# Altium PCB H7-Battery.PcbDoc
Units mil, origin at the board's own origin, x right, y up, seen from the top; angles counter-clockwise.
Board outline 1968.5 x 1181.1 mil, 2 copper layers (Top Layer, Bottom Layer), stack 50.044 mil thick; 24 components, 99 nets, 185 pads, 4 vias.
Unrouted connection lines stored in the file: 36.
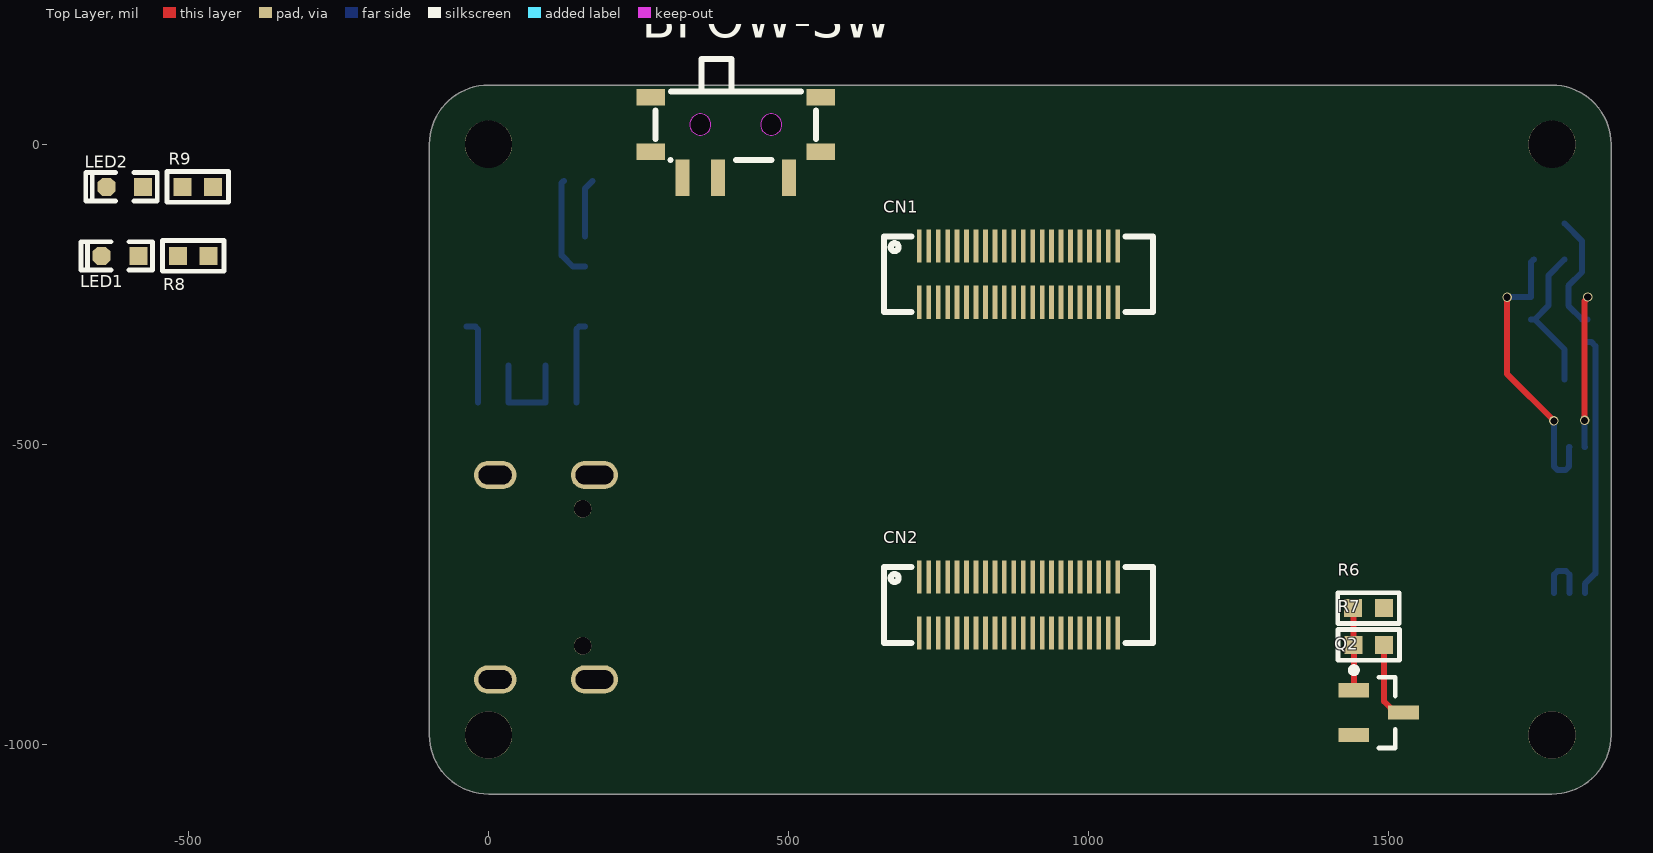
[diagram p0: Top Layer view]
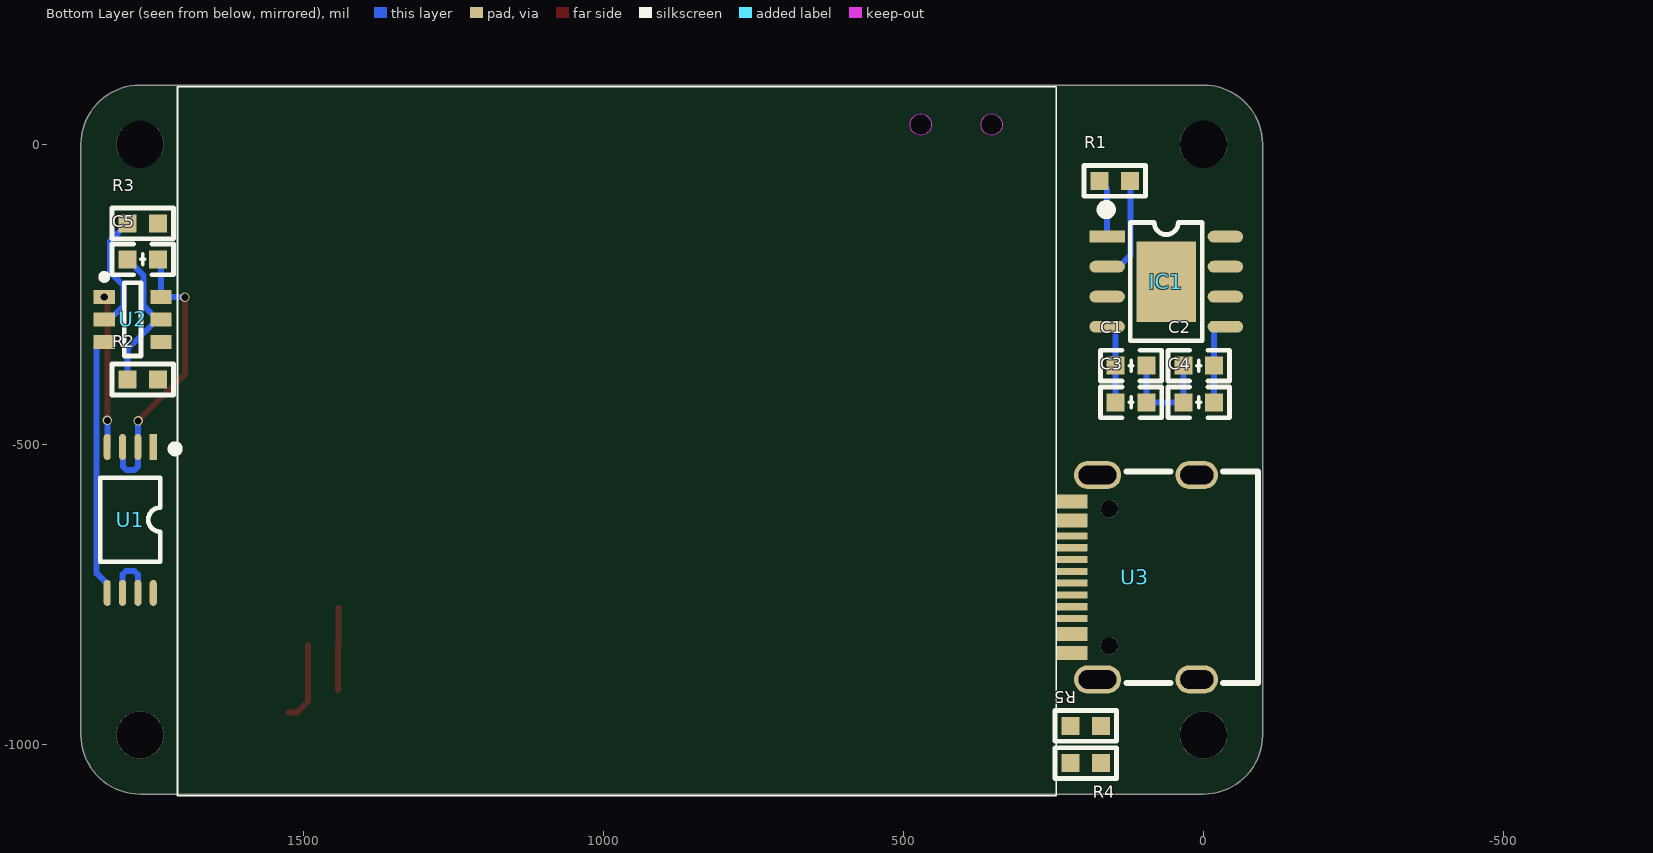
[diagram p1: Bottom Layer view, seen from below]

## Layer stack, top to bottom
Top Solder: solder mask 6.474, Solder Resist, Dk 3.5
Top Layer: signal copper 1.4
Dielectric 1: dielectric 47.2441, FR-4, Dk 4.8
Bottom Layer: signal copper 1.4
Bottom Solder: solder mask 6.474, Solder Resist, Dk 3.5

## Board outline
-98.43,-984.25 -98.43,0 cw(c0,0) 0,98.43 1771.65,98.43 cw(c1771.65,0) 1870.08,0 1870.08,-984.25 cw(c1771.65,-984.25) 1771.65,-1082.68 0,-1082.68 cw(c0,-984.25)

## Design rules (kind name [scope] priority, off if disabled: settings)
Clearance [All] p1: gap=4 ignorepadtopadclearanceinfootprint=TRUE
HoleToHoleClearance [All] p1: gap=3 allowstackedmicrovias=TRUE
MinimumSolderMaskSliver [All] p1: minsoldermaskwidth=3.5
PolygonConnect [All] p1: connectstyle=Relief reliefconductorwidth=10 reliefentries=4 polygonreliefangle="90 Angle" airgapwidth=10
RoutingVias [All] p1: holewidth=11.81 width=15.75 viastyle="Through Hole" minholewidth=11.81 minwidth=15.75 maxholewidth=15.75 maxwidth=19.68
SilkToSilkClearance [All] p1: silktosilkclearance=0
SilkToSolderMaskClearance [IsPad] p1: minsilkscreentomaskgap=3 clearancetoexposedcopper=TRUE
SolderMaskExpansion [All] p1: expansion=4 istentingtop=FALSE
Width [All] p1: maxlimit=40 minlimit=6 preferedwidth=8 minimp=50.000000 maximp=50.000000 favimp=50.000000
26 further rules are at their usual default settings.

## Components (designator, comment, footprint, x,y, rotation, side; value= is the part's Value field where it differs from the comment)
BPOW-SW "MSK12C02" SW-TH_MSK12C02 412,11 r180 top
C1 "10uF" C0603_L 120.59,-369 r180 bottom
C2 "10uF" C0603_L 8,-369 r0 bottom
C3 "0.1uF" C0603_L 120.59,-430 r180 bottom
C4 "0.1uF" C0603_L 8,-430 r0 bottom
C5 "0.1uF" C0603_L 1767,-192 r180 bottom
CN1 "DF40C-44DS-0.4V" DF40C-44DS-0.4V 882.95,-216.54 r180 top locked
CN2 "DF40C-44DS-0.4V" DF40C-44DS-0.4V 882.95,-767.72 r180 top locked
IC1 "TP4056" ESOP8_L 62,-229 r180 bottom
LED1 "" LED0603_R -614,-186 r180 top
LED2 "" LED0603_G -606,-71 r180 top
Q2 "AO3401" SOT23-3N 1483,-947 r0 top
R1 "1.2K" R0603_L 148,-61 r0 bottom
R2 "100R" R0603_L 1767,-392 r180 bottom
R3 "1.2K" R0603_L 1767,-132 r0 bottom
R4 "5.1K" R0603_L 196,-1031 r0 bottom
R5 "5.1K" R0603_L 196,-969 r180 bottom
R6 "10K" R0603_L 1466,-773 r180 top
R7 "10K" R0603_L 1466.41,-834 r0 top
R8 "5K1" R0603_L -492,-186 r180 top
R9 "5K1" R0603_L -484.41,-71 r0 top
U1 "SC8205A" TSSOP8_L 1788,-626 r270 bottom
U2 "DW01" SOT23-6L 1784,-292 r180 bottom
U3 "TYPE-C-31-M-12" TYPE-C-31-M-12 176.5,-551.18 r90 bottom locked

## Footprints (in the part's own frame and the unit in brackets; to place one, negate y for a bottom-side part, rotate by r counter-clockwise, add the part's x,y. Pads: shape width x height; smd on the part's side, far side on the other; paste and mask are expansions set on the pad)
C0603_L [mil] "无极性贴片电容"
  rect 30x30 smd: 1(-25.59,0) 2(25.59,0)
  silkscreen extent -51,-26 51,26, body extent -31,-16 31,16, height 33
DF40C-44DS-0.4V [mm]
  rect 0.2x1.4 smd: 1(4.2,-1.19) 2(4.2,1.19) 3(3.8,-1.19) 4(3.8,1.19) 5(3.4,-1.19) 6(3.4,1.19) 7(3,-1.19) 8(3,1.19) 9(2.6,-1.19) 10(2.6,1.19) 11(2.2,-1.19) 12(2.2,1.19) 13(1.8,-1.19) 14(1.8,1.19) 15(1.4,-1.19) 16(1.4,1.19) 17(1,-1.19) 18(1,1.19) 19(0.6,-1.19) 20(0.6,1.19) 21(0.2,-1.19) 22(0.2,1.19) 23(-0.2,-1.19) 24(-0.2,1.19) 25(-0.6,-1.19) 26(-0.6,1.19) 27(-1,-1.19) 28(-1,1.19) 29(-1.4,-1.19) 30(-1.4,1.19) 31(-1.8,-1.19) 32(-1.8,1.19) 33(-2.2,-1.19) 34(-2.2,1.19) 35(-2.6,-1.19) 36(-2.6,1.19) 37(-3,-1.19) 38(-3,1.19) 39(-3.4,-1.19) 40(-3.4,1.19) 41(-3.8,-1.19) 42(-3.8,1.19) 43(-4.2,-1.19) 44(-4.2,1.19)
  silkscreen extent -5.7,-1.6 5.7,1.6
ESOP8_L [mm] "5*6*1.8mm（长宽高）"
  rect 1.5x0.5 smd: 1(-2.5,1.905)
  oval 1.5x0.5 smd: 2(-2.5,0.635) 3(-2.5,-0.635) 4(-2.5,-1.905) 5(2.5,-1.905) 6(2.5,-0.635) 7(2.5,0.635) 8(2.5,1.905)
  rect 2.5x3.4 smd paste-2: 9(0,0)
  rect 0.9x0.7 on Bottom Paste: 10(-0.625,-1.1) 10(-0.625,0) 10(-0.625,1.1) 11(0.65,-1.1) 11(0.65,0) 11(0.65,1.1)
  silkscreen extent -2.69,-2.5 1.52,3.2, body extent -3,-2.5 3,2.5
LED0603_G [mil] "绿色0603LED"
  rect 30x30 smd: 1(-30.59,0)
  oct 30x30 smd: 2(30.59,0)
  silkscreen extent -54,-24 65,24, body extent -32,-16 31,16, height 24
LED0603_R [mil] "红色0603LED"
  rect 30x30 smd: 1(-30.59,0)
  oct 30x30 smd: 2(30.59,0)
  silkscreen extent -54,-24 65,24, body extent -32,-16 31,16, height 24
R0603_L [mil] "1/10W贴片电阻"
  rect 30x30 smd: 1(-25.59,0) 2(25.59,0)
  silkscreen extent -51,-26 51,26, body extent -31,-16 31,16, height 16
SOT23-3N [mm] "SOT23, 3-Leads, Body 2.9x1.3mm, Pitch 0.95mm, Lead Span 2.4mm, IPC Medium Density"
  rect 1.3x0.6 smd: 1(-1.05,0.95) 2(-1.05,-0.95) 3(1.05,0)
  silkscreen extent -1.17,-1.5 0.7,1.92, body extent -1.2,-1.5 1.2,1.5, height 1.05
SOT23-6L [mm] "SOT-23, 6-Leads, Body 2.90x1.60mm, Pitch 0.95mm, IPC High Density"
  rect 0.9x0.6 smd: 1(-1.2,0.95) 2(-1.2,0) 3(-1.2,-0.95) 4(1.2,-0.95) 5(1.2,0) 6(1.2,0.95)
  silkscreen extent -1.33,-1.55 0.35,1.92, body extent -1.4,-1.5 1.4,1.5, height 1.15
SW-TH_MSK12C02 [mil]
  rect 23.6x60 smd mask+2: 1(-88.6,66.9) 2(29.5,66.9) 3(88.6,66.9)
  rect 47.2x27.6 smd mask+2: 4(-141.7,-66.9) 4(-141.7,23.6) 4(141.7,-66.9) 4(141.7,23.6)
  Keep-Out Layer board cut-out: -41.3,-21.7 -43.05,-14.02 -47.96,-7.86 -55.06,-4.44 -62.94,-4.44 -70.04,-7.86 -74.95,-14.02 -76.7,-21.7 -76.7,-21.7 -74.95,-29.38 -70.04,-35.54 -62.94,-38.96 -55.06,-38.96 -47.96,-35.54 -43.05,-29.38 -41.3,-21.7
  Keep-Out Layer board cut-out: 76.8,-21.7 75.05,-14.02 70.14,-7.86 63.04,-4.44 55.16,-4.44 48.06,-7.86 43.15,-14.02 41.4,-21.7 41.4,-21.7 43.15,-29.38 48.06,-35.54 55.16,-38.96 63.04,-38.96 70.14,-35.54 75.05,-29.38 76.8,-21.7
  silkscreen extent -134,-131 134,37, body extent -154,-133 154,72, height 59
TSSOP8_L [mm] "TSSOP-8_L3.0-W4.4-H1.0-LS6.4-P0.65"
  rect 1.1x0.3 smd: 1(-3.087,0.975)
  oval 1.1x0.3 smd: 2(-3.087,0.325) 3(-3.087,-0.325) 4(-3.087,-0.975) 5(3.087,-0.975) 6(3.087,-0.325) 7(3.087,0.325) 8(3.087,0.975)
  silkscreen extent -3.14,-1.27 1.77,2.03, body extent -3.19,-1.57 3.09,1.43, height 1.14
TYPE-C-31-M-12 [mm]
  oval 1.2x1.8 hole 0.8 slot 1.4 at 90 deg: 0(-8.65,-4.2) 0(0,-4.2)
  oval 1.2x2 hole 0.8 slot 1.6 at 90 deg: 0(-8.65,0) 0(0,0)
  rect 0.3x1.3 smd: A1(-7.675,1.068) A4(-6.875,1.068) A5(-5.575,1.068) A6(-4.575,1.068) A7(-4.075,1.068) A8(-3.075,1.068) A9(-1.775,1.068) A12(-0.975,1.069) B1(-1.275,1.069) B4(-2.075,1.068) B5(-2.575,1.068) B6(-3.575,1.068) B7(-5.075,1.068) B8(-6.075,1.068) B9(-6.575,1.068) B12(-7.375,1.068)
  round 0.75 hole 0.75 unplated: ""(-7.225,-0.5) ""(-1.425,-0.5)
  silkscreen extent -8.79,-6.8 0.15,-1.22, body extent -8.79,-6.8 0.15,0.95, height 3.21

## Part data
BPOW-SW: JLCPCB Part Class="Extended Part", LCSC Part Name="两档侧拨贴片 7脚 拨动 白柄 柄长1.5mm,带定位柱", Manufacturer="SHOU HAN(首韩)", Add into BOM=yes, Convert to PCB=yes, Datasheet=https://atta.szlcsc.com/upload/public/pdf/source/20190925/C431540_89155AEF0758B9AD1B2D805F83FB12E3.pdf, Device=MSK12C02, Manufacturer Part=MSK12C02, Supplier=LCSC, Supplier Footprint=SMD, Supplier Part=C431540, Symbol=MSK12C02
C1 C2 C3 C4 C5: library part C, "贴片电容", BOM名称=无极性贴片电容, 封装库来自淘宝卖家ID：黄晶宝石=其他店铺购入均为盗版假冒封装库，请立即申请退款, 联系卖家，免费查找封装=唯一出售店铺网址https://shop463601444.taobao.com
CN1 CN2: "母座"
IC1: "锂电池充电管理"
LED1 LED2: library part LED-SMD, "贴片LED", BOM名称=贴片LED, 封装库来自淘宝卖家 ID：黄晶宝石=其他店铺购入均为假冒，请立即申请退款，本店奖励现金5~20元
Q2: "P沟道 30V/4.2A", BOM名称=场效应管, 参数="P沟道 30V/4.2A", 封装库来自淘宝卖家 ID：黄晶宝石=其他店铺购入均为盗版，不享受售后技术支持服务，请立即申请退款, 联系卖家，免费查找封装=唯一出售店铺网址https://shop463601444.taobao.com
R1 R2 R3 R4 R5 R6 R7 R8 R9: library part R, "贴片电阻", BOM名称=贴片电阻, 封装库来自淘宝卖家ID：黄晶宝石=其他店铺购入均为盗版假冒封装库，请立即申请退款, 联系卖家，免费查找封装=唯一出售店铺网址https://shop463601444.taobao.com
U1: "N沟道 6A/20V锂电池保护板用的MOS管", BOM名称=场效应管, 封装库来自淘宝卖家 ID：黄晶宝石=其他店铺购入均为盗版，不享受售后技术支持服务，请立即申请退款, 联系卖家，免费查找封装=唯一出售店铺网址https://shop463601444.taobao.com
U2: "锂电池过流保护IC", BOM名称=过流保护IC, 封装库来自淘宝卖家 ID：黄晶宝石=其他店铺购入均为盗版，请立即申请退款，本店现金奖励5~20元, 联系卖家 免费查找封装=唯一出售店铺网址https://shop463601444.taobao.com

## Free pads (board coordinates)
  round 78.74 hole 78.74 unplated: 0(0,-984.25) 0(0,0) 0(1771.65,-984.25) 0(1771.65,0)

## Via types
v1: diameter 15.75, hole 11.81, Top Layer to Bottom Layer, 4 vias

## Nets (pads, with @x,y where several pads share a name; then routed paths per layer and width w, separated by ;. In a path a pad name is that pad's centre, name@x,y a point inside that pad or via, vN(x,y) a via of type N, cw(c..) or ccw(c..) an arc to the next point about the centre after c; other vN are vias at no path point)
3V3: CN1.41 CN1.43
5V: C1.1 C3.1 IC1.4 IC1.8 R8.1 R9.1 | length 137.6
  Bottom Layer w10: C3.1 C1.1 146.18,-308.47 150.66,-304 IC1.4
+5: CN1.42 CN1.44 Q2.3 R7.2 U3.A4 U3.A9 U3.B4 U3.B9 | length 134.5
  Top Layer w10: R7.2 1492,-928.44 1510.56,-947 Q2.3
BAT+: BPOW-SW.1
BAT-: C5.2 U1.2 U1.3 U2.6 | length 481.7
  Top Layer w10: v1(1697,-255) 1697,-383 v1(1775,-461)
  Bottom Layer w10: v1(1697,-255) 1697.2,-254.8 1736.56,-254.8 U2.6 1736.76,-196.66 C5.2 ; v1(1775,-461) 1775.1,-461.1 1775.1,-504.34 U1.2 1775.2,-537.14 1781.06,-543 1794.14,-543 1800.45,-536.69 1800.45,-504.79 U1.3
BOOT0: CN2.32
BOUT+: BPOW-SW.2 C2.1 C4.1 IC1.5 Q2.2 R2.2 | length 142.2
  Bottom Layer w10: IC1.5 -22.07,-304 -17.59,-308.47 C2.1 C4.1
GND: C1.2 C2.2 C3.2 C4.2 CN2.41 CN2.42 CN2.43 CN2.44 IC1.1 IC1.3 R1.2 R3.1 R4.2 R5.1 R6.1 U1.6 U1.7 U3.0 U3.A1 U3.A12 U3.B1 U3.B12 | length 373.7
  Bottom Layer w10: C2.2 C4.2 C3.2 C1.2 ; IC1.1 160.43,-74.16 R1.2 ; U1.7 1775.2,-716.86 1781.06,-711 1794.94,-711 1800.8,-716.86 U1.6
NetC5_1: C5.1 R2.1 U2.5 | length 247.3
  Bottom Layer w10: U2.5 U2.5@1742.66,-292 ; R2.1 1792.59,-341.93 U2.5@1742.66,-292 ; C5.1 1766.03,-218.56 1766.03,-268.63 U2.5@1742.66,-292
NetIC1_2: IC1.2 R1.1 | length 171.9
  Bottom Layer w10: R1.1@125.41,-61 121.9,-64.51 121.9,-185.16 140.74,-204 IC1.2
NetIC1_6: IC1.6 LED2.2
NetIC1_7: IC1.7 LED1.2
NetLED1_1: LED1.1 R8.2
NetLED2_1: LED2.1 R9.2
NetQ2_1: Q2.1 R6.2 R7.1 | length 137.1
  Top Layer w10: R6.2 1440.82,-773.4 R7.1 1441.66,-834.84 Q2.1
NetR3_2: R3.2 U2.2 | length 200.5
  Bottom Layer w10: R3.2 1822,-161.41 1822,-213 1799,-236 1799,-269 1822,-292 U2.2
NetR4_1: R4.1 U3.B5
NetR5_2: R5.2 U3.A5
OC: U1.5 U2.3 | length 434.2
  Bottom Layer w10: U1.5 1826.39,-732.61 1844,-715 1844,-342.16 1843.96,-342.12 1843.96,-336.21 1837.15,-329.4 U2.3
OD: U1.4 U2.1 | length 252.2
  Top Layer w10: v1(1826,-460) 1826,-261.4 1831.24,-256.15 v1(1831.24,-254.6)
  Bottom Layer w10: v1(1826,-460) 1826.19,-460.19 1826.19,-504.25 U1.4
PA0: CN1.34
PA1: CN1.36
PA2: CN1.38
PA3: CN1.40
PA4: CN1.39
PA5: CN1.37
PA6: CN1.35
PA7: CN1.33
PA8: CN2.17
PA9: CN2.15
PA10: CN2.13
PA11: CN2.11
PA12: CN2.9
PA15: CN2.4
PB0: CN1.27
PB1: CN1.25
PB2: CN1.23
PB3: CN2.22
PB4: CN2.24
PB5: CN2.26
PB6: CN2.28
PB7: CN2.30
PB8: CN2.34
PB9: CN2.36
PB10: CN1.3
PB11: CN1.1
PB12: CN1.2
PB13: CN1.4
PB14: CN1.6
PB15: CN1.8
PC0: CN1.26
PC1: CN1.28
PC2: CN1.30
PC3: CN1.32
PC4: CN1.31
PC5: CN1.29
PC6: CN2.25
PC7: CN2.23
PC8: CN2.21
PC9: CN2.19
PC10: CN2.6
PC11: CN2.8
PC12: CN2.1
PC13: CN2.29
PD0: CN2.3
PD1: CN2.5
PD2: CN2.10
PD3: CN2.12
PD4: CN2.14
PD5: CN2.16
PD6: CN2.18
PD7: CN2.20
PD8: CN1.10
PD9: CN1.12
PD10: CN1.14
PD11: CN1.16
PD12: CN1.18
PD13: CN1.20
PD14: CN1.22
PD15: CN1.24
PE0: CN2.38
PE1: CN2.40
PE2: CN2.39
PE3: CN2.37
PE4: CN2.35
PE5: CN2.33
PE6: CN2.31
PE7: CN1.21
PE8: CN1.19
PE9: CN1.17
PE10: CN1.15
PE11: CN1.13
PE12: CN1.11
PE13: CN1.9
PE14: CN1.7
PE15: CN1.5
SWCLK: CN2.2
SWDIO: CN2.7
VBAT: CN2.27
pads on no net: BPOW-SW.3 BPOW-SW.4 IC1.9 IC1.10 IC1.11 U1.1 U1.8 U2.4 U3. U3.A6 U3.A7 U3.A8 U3.B6 U3.B7 U3.B8

## Silkscreen, mask and mechanical layers (free items; w line width, h text height)
Bottom Overlay:
  lines w3: 245.2,-1085.55 1709.45,-1085.55 1709.45,-839.55 1709.45,-363.55 1709.45,95.55 245.2,95.55 245.2,-1085.55
Mechanical 1:
  the board outline again, w5